# KiCad board Kanagawa_rgb_ansi_stamp.kicad_pcb (continued)
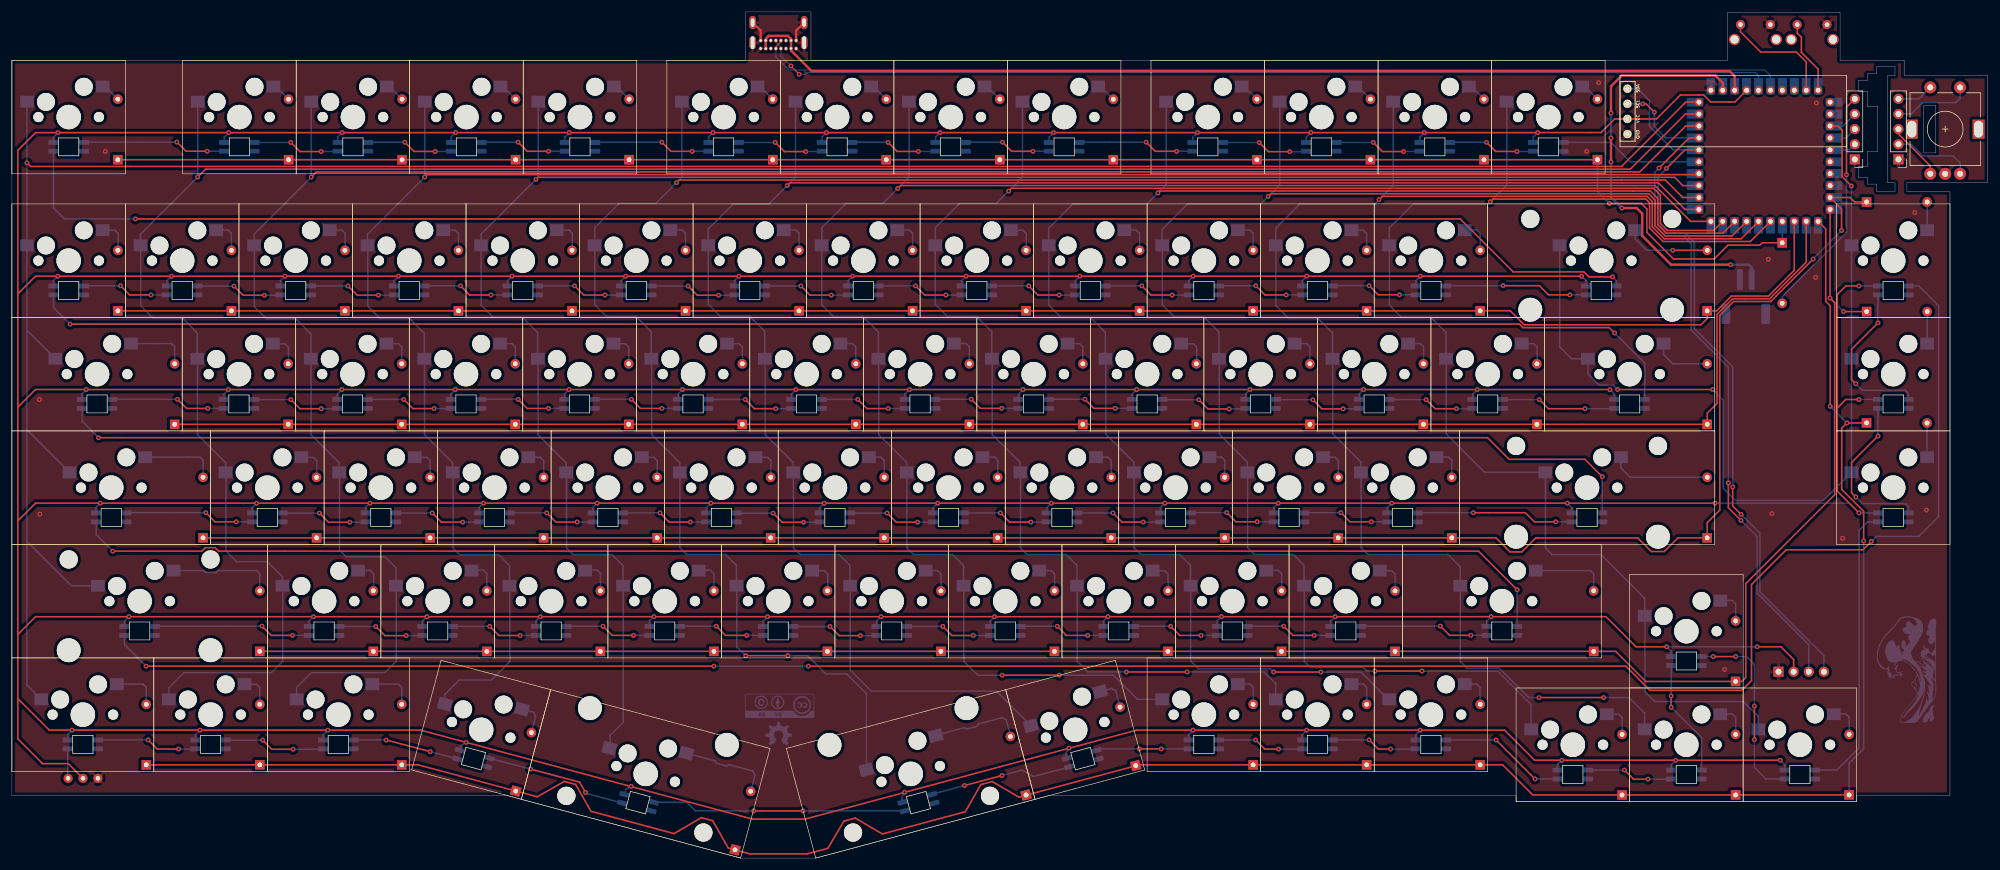
[diagram p0: board, top side]
## Routing (per net, layer and track width the routed paths; a pad name or vN(x,y) marks a point on that pad's centre or on a via; arc(x,y) is an arc through that point) (continued)
col10: length 257.6
  Top w0.254: U0.17 288.66,104.43 277.44,104.43 275.72,106.14 275.72,110.45 274.66,111.51 211.26,111.51 v1(210.8,111.05) ; v1(236.63,31.39) v1(228.73,31.39)
  Bottom w0.254: 216.88,45.69 216.88,33.02 217.91,31.99 226.77,31.99 227.37,31.39 v1(228.73,31.39) ; 216.83,49.13 216.83,46.12 ; KD10.1 207.31,66.46 202.6,71.17 202.6,83.82 ; 207.35,52.09 208.47,50.97 214.99,50.97 216.8,49.16 ; 207.35,52.09 207.35,64.74 ; KF10.1 254.94,25.75 249.3,31.39 v1(236.63,31.39) ; 193,102.78 193,105.49 197.26,109.75 209.5,109.75 v1(210.8,111.05) 212.75,113 212.75,126.93 ; 193.05,102.91 193.05,92.86 195.08,90.83 200,90.83 202.54,88.29 202.54,83.87
col11: length 240.7
  Top w0.254: U0.16 290.18,103.95 277.27,103.95 275.27,105.96 275.27,110.2 274.41,111.06 229.96,111.06 v1(229.41,110.51) ; v1(256.26,26.94) v1(267.11,26.94)
  Bottom w0.254: 221.65,83.82 221.65,71.17 226.36,66.46 KD11.1 ; 212.12,102.77 212.12,92.72 214.15,90.69 219.07,90.69 221.61,88.15 221.61,83.73 ; v1(267.11,26.94) 271.37,26.94 273.99,24.32 273.99,21.62 ; 226.4,52.09 226.4,64.74 ; 243.06,45.64 243.06,32.99 243.06,32.99 244.18,31.88 249.58,31.88 254.56,26.94 v1(256.26,26.94) ; 226.4,52.09 227.52,50.97 240.98,50.97 243.04,48.91 243.04,45.71 ; 231.8,126.93 231.8,112.9 v1(229.41,110.51) 228.71,109.81 216.16,109.81 212.08,105.73 212.08,102.81
col12: length 222.8
  Top w0.254: U0.15 291.72,103.49 277.08,103.49 274.81,105.76 274.81,109.98 274.19,110.6 248.51,110.6 v1(248.07,110.16)
  Bottom w0.254: 274.04,40.63 274.04,27.94 275.71,26.27 290.55,26.27 293.05,23.77 293.05,21.61 ; 257.35,52.06 258.47,50.94 266.67,50.94 273.99,43.62 KE12.1 ; KC12.1 240.65,88.22 238.11,90.76 233.19,90.76 231.16,92.79 231.16,102.84 ; 250.85,126.93 250.85,112.94 v1(248.07,110.16) 247.72,109.81 235.21,109.81 231.13,105.73 231.13,102.81 ; 240.7,83.82 240.7,71.17 247.12,64.75 KD12.1 ; 257.35,52.06 257.35,64.71
col13: length 154.2
  Top w0.254: v1(269.45,78.64) v1(285.41,78.64) ; v1(308.69,112.8) 307.13,114.36 307.13,122.17 306.44,122.87 U0.3
  Bottom w0.254: KF13.1 303.97,60.02 289.23,60.02 287.19,62.06 287.19,76.86 v1(285.41,78.64) ; 264.47,83.8 261.72,83.8 259.73,85.79 259.73,102.78 ; 309.26,124.9 307.23,122.87 U0.3 ; v1(269.45,78.64) 268.7,79.39 266.33,79.39 264.46,81.26 KC13.1 ; v1(308.69,112.8) 308.69,102.85 ; KD13.1 308.7,64.75
D+: length 173.3
  Top w0.2: 129.05,136.99 128.19,136.14
  Bottom w0.2: U0.36 295.1,131.33 294.18,132.25 130.42,132.25 128.19,134.47 JUSB1.A6
D-: length 170.8
  Top w0.2: v1(130.71,132.95) v1(132.11,131.55)
  Bottom w0.2: v1(132.11,131.55) 133.1,131.55 133.4,131.85 292.53,131.85 293.1,131.28 U0.35 ; v1(130.71,132.95) 129.04,134.61 129.04,135.87 ; 128.2,137.21 128.2,136.96 129.06,136.1
ENCA: length 4.8
  Bottom w0.254: J3.3 307.79,120.88 305.09,120.88
ENCB: length 4.5
  Bottom w0.254: J3.2 308.32,118.87 U0.5
RESET: length 19.1
  Top w0.254: U0.39 301.1,133.63 299.45,135.28 293.47,135.28 290.07,138.68 RSW0.1
RGB_Matrix: length 24.1
  Bottom w0.254: 260.35,120.12 268.31,120.12 271.56,116.87 U0.25
RGB_Out: length 4.9
  Bottom w0.254: KF0.4 9.36,13.43
row00: length 296.3
  Top w0.254: v1(268.07,109.88) 273.42,109.88 274.36,108.94 274.36,105.03 278.82,100.57 285.66,100.57 287.97,102.88 293.32,102.88 293.72,103.28 297.07,103.28 ; DA0.1 266.08,117.21
  Bottom w0.254: 297.07,103.28 297.1,103.31 U0.14 ; 266.07,117.22 266.07,111.88 v1(268.07,109.88)
row01: length 295.1
  Top w0.254: DB0.1 246.39,91.85 ; U0.13 299.1,98.66 294.76,94.32 288.53,94.32 286.06,91.85 284.48,91.85 ; 246.38,91.87 251.41,91.87 253.77,89.51 283.44,89.51 284.49,90.56 284.49,91.85
row02: length 301.8
  Top w0.254: DC13.1 284.49,74.67 286.14,76.32 286.14,91.28 288.73,93.87 294.96,93.87 301.1,100.01 301.1,106.88 ; DC12.1 284.49,72.8 ; DC0.1 255.91,72.8
row03: length 333.6
  Top w0.254: DD13.1 309.22,110.12 308.47,110.87 U0.9 307.03,108.94 v1(307.03,105.33) ; v1(302.27,100.54) 295.14,93.41 288.92,93.41 286.59,91.09 286.59,58.4 284.49,56.3 DD12.1 ; 284.49,53.75 279.58,53.75 277.28,51.45 275.12,51.45 272.84,53.73 255.71,53.73 253.37,51.39 251.39,51.39 249.03,53.75 DD0.1
  Bottom w0.254: v1(307.03,105.33) 302.27,100.57 v1(302.27,100.54)
row04: length 343.9
  Top w0.254: U0.10 v1(305.1,93.99) 305.87,93.22 305.87,60.98 290.96,46.07 290.96,30.3 290.31,29.65 DE12.1 274.17,29.65 269.12,34.7 DE0.1 ; v1(307.36,91.73) 311.26,91.73
  Bottom w0.254: v1(307.36,91.73) v1(305.1,93.99)
row05: length 408.6
  Top w0.254: U0.11 304.37,105.6 304.37,93.45 305.13,92.69 v1(305.13,75.82) ; 84.55,11.26 88.17,10.29 ; 89.02,10.78 88.15,10.29 ; DF0.1 65.42,15.65 ; 89.01,10.77 92.69,12.87 94.6,12.35 ; 168.12,10.73 168.98,10.23 ; 84.53,11.26 68.16,15.65 68.15,15.65 DF2.1 ; 120.21,1.7 121.36,1.4 ; 137.46,2.54 139.6,6.2 141.52,6.71 ; 164.5,12.85 162.58,12.34 160.47,8.61 ; 164.5,12.85 168.16,10.71 ; 117.6,6.27 115.68,6.79 111.99,4.61 ; 159.98,7.77 160.48,8.63 ; 96.69,8.7 97.18,7.83 ; 168.98,10.23 170.2,10.56 ; 119.69,2.59 120.19,1.73 ; 136.94,1.65 137.44,2.51 ; v1(310.74,53.23) 310.74,58.19 307.05,61.88 307.05,72.16 v1(307.92,73.03) 307.93,73.04 DF13.1 ; 146.08,4.06 159.98,7.78 ; 170.23,10.57 188.6,15.5 ; DF12.1 DF10.1 255.2,10.6 250.15,15.65 DF9.1 188.69,15.65 188.59,15.55 ; 94.61,12.35 96.71,8.67 ; 97.21,7.84 111.11,4.11 ; 111.11,4.11 111.97,4.61 ; 121.36,1.37 123.8,0.71 133.47,0.71 133.48,0.71 136.95,1.65 ; 141.52,6.71 145.18,4.57 ; 145.21,4.55 146.07,4.05 ; 117.6,6.27 119.7,2.59
  Bottom w0.254: v1(310.74,53.23) 310.74,18.37 308.3,15.93 DF12.1 ; v1(307.92,73.03) v1(305.13,75.82)
SCL: length 121.9
  Top w0.254: v1(290.15,56.68) 288.04,58.79 v1(288.04,62.99) ; v1(275.62,125.2) 274.23,126.59 v1(273.65,126.59) ; U0.27 281.45,120.87 v1(276.4,115.82)
  Bottom w0.254: v1(288.04,62.99) 288.04,82.39 281.78,88.65 281.78,103.13 280.47,104.44 277.42,104.44 275.7,106.16 275.7,115.12 v1(276.4,115.82) ; J6.3 301.53,35.79 292.85,44.47 292.85,53.98 v1(290.15,56.68) ; v1(275.62,125.2) 275.62,122.77 277.52,120.87 U0.27 ; v1(273.65,126.59) 271.09,126.59
SDA: length 123.9
  Top w0.254: v1(290.17,57.69) 288.77,59.09 v1(288.77,62.29) ; U0.26 280.76,118.87 v1(277.64,115.75)
  Bottom w0.254: v1(290.17,57.69) 293.34,54.52 293.34,44.69 304.07,33.96 J6.4 ; U0.26 278.76,118.87 274.8,122.83 274.8,127.17 272.83,129.14 271.1,129.14 ; v1(277.64,115.75) 276.23,114.34 276.23,106.39 277.66,104.96 280.7,104.96 282.33,103.33 282.33,88.88 288.77,82.44 v1(288.77,62.29)
Net-(DA0-Pad2): length 3.4
  Bottom w0.254: 15.22,129.5 15.65,129.5 DA0.2
Net-(DA1-Pad2): length 3.4
  Bottom w0.254: 43.87,129.51 44.29,129.51 DA1.2
Net-(DA2-Pad2): length 3.4
  Bottom w0.254: 62.92,129.5 63.35,129.5 DA2.2
Net-(DA3-Pad2): length 3.4
  Bottom w0.254: 81.97,129.5 82.4,129.5 DA3.2
Net-(DA4-Pad2): length 3.5
  Bottom w0.254: DA4.2 101.44,129.51 101.01,129.51
Net-(DA5-Pad2): length 3.4
  Bottom w0.254: 125.12,129.5 125.55,129.5 DA5.2
Net-(DA6-Pad2): length 3.4
  Bottom w0.254: 144.17,129.49 144.61,129.49 DA6.2
Net-(DA7-Pad2): length 3.4
  Bottom w0.254: 163.22,129.5 163.65,129.5 DA7.2
Net-(DA8-Pad2): length 3.4
  Bottom w0.254: 182.27,129.5 182.7,129.5 DA8.2
Net-(DA9-Pad2): length 3.4
  Bottom w0.254: DA9.2 206.81,129.49 206.38,129.49
Net-(DA10-Pad2): length 3.4
  Bottom w0.254: DA10.2 225.85,129.5 225.43,129.5
Net-(DA11-Pad2): length 3.4
  Bottom w0.254: 244.47,129.5 244.9,129.5 DA11.2
Net-(DA12-Pad2): length 3.4
  Bottom w0.254: 263.53,129.5 263.95,129.5 DA12.2
Net-(DB0-Pad2): length 5.6
  Bottom w0.254: 17.83,102 17.83,104.83 17.27,105.39 15.27,105.39
Net-(DB1-Pad2): length 5.6
  Bottom w0.254: 36.84,102.04 36.84,104.87 36.28,105.43 34.28,105.43
Net-(DB2-Pad2): length 5.6
  Bottom w0.254: 55.9,102.04 55.9,104.87 55.34,105.43 53.34,105.43
Net-(DB3-Pad2): length 5.6
  Bottom w0.254: 74.94,102.02 74.94,104.85 74.38,105.41 72.38,105.41
Net-(DB4-Pad2): length 5.6
  Bottom w0.254: 91.47,105.4 93.47,105.4 94.03,104.84 94.03,102.01
Net-(DB5-Pad2): length 5.6
  Bottom w0.254: 113.04,102.05 113.04,104.88 112.48,105.44 110.48,105.44
Net-(DB6-Pad2): length 5.6
  Bottom w0.254: 132.1,102.05 132.1,104.88 131.54,105.44 129.54,105.44
Net-(DB7-Pad2): length 5.6
  Bottom w0.254: 151.14,102.03 151.14,104.86 150.58,105.42 148.58,105.42
Net-(DB8-Pad2): length 5.6
  Bottom w0.254: 167.66,105.38 169.66,105.38 170.22,104.82 170.22,101.99
Net-(DB9-Pad2): length 5.6
  Bottom w0.254: 189.23,102.03 189.23,104.86 188.67,105.42 186.67,105.42
Net-(DB10-Pad2): length 5.6
  Bottom w0.254: 208.29,102.03 208.29,104.86 207.73,105.42 205.73,105.42
Net-(DB11-Pad2): length 5.6
  Bottom w0.254: 224.77,105.4 226.77,105.4 227.33,104.84 227.33,102.01
Net-(DB12-Pad2): length 5.6
  Bottom w0.254: 243.83,105.42 245.83,105.42 246.39,104.86 246.39,102.03
Net-(DB13-Pad2): length 14.3
  Top w0.254: DB13.2 v1(278.71,102.01)
  Bottom w0.254: v1(278.71,102.01) 274.32,102.01 272.4,103.93 KB13.2
Net-(DC0-Pad2): length 10.4
  Bottom w0.254: 19.99,86.36 26.75,86.36 27.31,85.8 27.31,82.97
Net-(DC1-Pad2): length 5.6
  Bottom w0.254: 43.85,86.31 45.85,86.31 46.41,85.75 46.41,82.92
Net-(DC2-Pad2): length 5.6
  Bottom w0.254: 65.42,82.96 65.42,85.79 64.86,86.35 62.86,86.35
Net-(DC3-Pad2): length 5.6
  Bottom w0.254: 84.48,82.96 84.48,85.79 83.92,86.35 81.92,86.35
Net-(DC4-Pad2): length 5.6
  Bottom w0.254: 103.52,82.94 103.52,85.77 102.96,86.33 100.96,86.33
Net-(DC5-Pad2): length 5.6
  Bottom w0.254: 120.03,86.33 122.03,86.33 122.59,85.77 122.59,82.94
Net-(DC6-Pad2): length 5.6
  Bottom w0.254: 141.6,82.98 141.6,85.81 141.04,86.37 139.04,86.37
Net-(DC7-Pad2): length 5.6
  Bottom w0.254: 160.66,82.98 160.66,85.81 160.1,86.37 158.1,86.37
Net-(DC8-Pad2): length 5.6
  Bottom w0.254: 177.14,86.35 179.14,86.35 179.7,85.79 179.7,82.96
Net-(DC9-Pad2): length 5.6
  Bottom w0.254: 198.82,82.93 198.82,85.76 198.26,86.32 196.26,86.32
Net-(DC10-Pad2): length 5.6
  Bottom w0.254: 215.27,86.36 217.27,86.36 217.83,85.8 217.83,82.97
Net-(DC11-Pad2): length 5.6
  Bottom w0.254: 236.89,82.97 236.89,85.8 236.33,86.36 234.33,86.36
Net-(DC12-Pad2): length 5.6
  Bottom w0.254: 255.93,82.95 255.93,85.78 255.37,86.34 253.37,86.34
Net-(DC13-Pad2): length 9.8
  Bottom w0.254: 284.49,82.96 278.73,82.96 277.16,84.53 KC13.2
Net-(DD0-Pad2): length 12.8
  Bottom w0.254: 22.37,67.31 31.52,67.31 32.08,66.75 32.08,63.92
Net-(DD1-Pad2): length 5.6
  Bottom w0.254: 51.17,63.85 51.17,66.68 50.61,67.24 48.61,67.24
Net-(DD2-Pad2): length 5.6
  Bottom w0.254: 70.18,63.89 70.18,66.72 69.62,67.28 67.62,67.28
Net-(DD3-Pad2): length 5.6
  Bottom w0.254: 86.68,67.28 88.68,67.28 89.24,66.72 89.24,63.89
Net-(DD4-Pad2): length 5.6
  Bottom w0.254: 108.28,63.87 108.28,66.7 107.72,67.26 105.72,67.26
Net-(DD5-Pad2): length 5.6
  Bottom w0.254: 124.81,67.27 126.81,67.27 127.37,66.71 127.37,63.88
Net-(DD6-Pad2): length 5.6
  Bottom w0.254: 146.38,63.92 146.38,66.75 145.82,67.31 143.82,67.31
Net-(DD7-Pad2): length 5.6
  Bottom w0.254: 162.88,67.31 164.88,67.31 165.44,66.75 165.44,63.92
Net-(DD8-Pad2): length 5.6
  Bottom w0.254: 181.92,67.29 183.92,67.29 184.48,66.73 184.48,63.9
Net-(DD9-Pad2): length 5.6
  Bottom w0.254: 200.97,67.32 202.97,67.32 203.53,66.76 203.53,63.93
Net-(DD10-Pad2): length 5.6
  Bottom w0.254: 220.03,67.29 222.03,67.29 222.59,66.73 222.59,63.9
Net-(DD11-Pad2): length 5.6
  Bottom w0.254: 239.07,67.33 241.07,67.33 241.63,66.77 241.63,63.94
Net-(DD12-Pad2): length 16.9
  Bottom w0.254: 270.01,67.3 270.01,65.49 271.59,63.91 DD12.2
Net-(DD13-Pad2): length 5.2
  Bottom w0.254: KD13.2 321.4,110.62
Net-(DE0-Pad2): length 17.8
  Bottom w0.254: 41.6,44.87 41.6,47.7 41.04,48.26 34.6,48.26 34.26,47.92 32.5,47.92 32.16,48.26 27.13,48.26
Net-(DE1-Pad2): length 5.6
  Bottom w0.254: 58.13,48.3 60.13,48.3 60.69,47.74 60.69,44.91
Net-(DE2-Pad2): length 5.6
  Bottom w0.254: 77.14,48.34 79.14,48.34 79.7,47.78 79.7,44.95
Net-(DE3-Pad2): length 5.6
  Bottom w0.254: 98.76,44.95 98.76,47.78 98.2,48.34 96.2,48.34
Net-(DE4-Pad2): length 5.6
  Bottom w0.254: 117.8,44.93 117.8,47.76 117.24,48.32 115.24,48.32
Net-(DE5-Pad2): length 5.6
  Bottom w0.254: 136.9,44.82 136.9,47.65 136.34,48.21 134.34,48.21
Net-(DE6-Pad2): length 5.6
  Bottom w0.254: 153.35,48.25 155.35,48.25 155.91,47.69 155.91,44.86
Net-(DE7-Pad2): length 5.6
  Bottom w0.254: 174.97,44.86 174.97,47.69 174.41,48.25 172.41,48.25
Net-(DE8-Pad2): length 5.6
  Bottom w0.254: 191.45,48.23 193.45,48.23 194.01,47.67 194.01,44.84
Net-(DE9-Pad2): length 5.6
  Bottom w0.254: 210.5,48.31 212.5,48.31 213.06,47.75 213.06,44.92
Net-(DE10-Pad2): length 5.6
  Bottom w0.254: 229.54,48.23 231.54,48.23 232.1,47.67 232.1,44.84
Net-(DE11-Pad2): length 12.8
  Bottom w0.254: 255.73,48.25 264.87,48.25 265.43,47.69 265.43,44.86
Net-(DE12-Pad2): length 5.6
  Bottom w0.254: 286.69,43.24 288.69,43.24 289.25,42.68 289.25,39.85
Net-(DE13-Pad2): length 5.4
  Bottom w0.254: DE13.2 321.4,86.35 321.4,86.35
Net-(DF0-Pad2): length 8
  Bottom w0.254: DF0.2 22.55,28.64 21.99,29.2 17.61,29.2
Net-(DF1-Pad2): length 5.6
  Bottom w0.254: 41.6,25.78 41.6,28.61 41.04,29.17 39.04,29.17
Net-(DF2-Pad2): length 8
  Bottom w0.254: 60.47,29.2 64.86,29.2 65.42,28.64 65.42,25.81
Net-(DF3-Pad2): length 5.6
  Bottom w0.254: 87.16,21.07 87.89,23.8 87.49,24.49 85.56,25
Net-(DF4-Pad2): length 15.5
  Bottom w0.254: 119.92,15.45 118.22,15.91 117.98,16.32 113.12,17.62 ; 120.32,15.69 119.9,15.45 ; 123.98,11.2 124.71,13.93 124.31,14.62 ; 124.3,14.63 120.31,15.69
Net-(DF5-Pad2): length 15.5
  Bottom w0.254: 154.97,20.59 159.83,21.89 160.25,21.65 161.95,22.11 ; 167.59,20.46 166.86,23.19 166.17,23.59 ; 166.16,23.58 162.18,22.52 ; 162.18,22.52 161.94,22.1
Net-(DF6-Pad2): length 5.6
  Bottom w0.254: 185.96,25.36 185.23,28.09 184.54,28.49 182.61,27.97
Net-(DF7-Pad2): length 5.6
  Bottom w0.254: 208.29,25.82 208.29,28.65 207.73,29.21 205.73,29.21
Net-(DF8-Pad2): length 5.6
  Bottom w0.254: 224.78,29.22 226.78,29.22 227.34,28.66 227.34,25.83
Net-(DF9-Pad2): length 5.6
  Bottom w0.254: 246.38,25.82 246.38,28.65 245.82,29.21 243.82,29.21
Net-(DF10-Pad2): length 5.6
  Bottom w0.254: 267.65,24.15 269.65,24.15 270.21,23.59 270.21,20.76
Net-(DF11-Pad2): length 5.6
  Bottom w0.254: 286.7,24.19 288.7,24.19 289.26,23.63 289.26,20.8
Net-(DF12-Pad2): length 5.6
  Bottom w0.254: 308.3,20.82 308.3,23.65 307.74,24.21 305.74,24.21
Net-(DF13-Pad2): length 5.7
  Bottom w0.254: 321.39,67.3 321.38,67.31 DF13.2

## Copper pours and planes (outline as drawn; the poured copper is in the pictures)
GND on Top: 337.19,-5.39 -7.34,-6.37 -6.87,144.9 336.77,145.25
GND on Bottom: 337.14,-5.45 -7.39,-6.43 -6.92,144.84 336.72,145.19

## Text on the board
B.Silkscreen: RGB matrix / Output | VCC | GND | SCL | SDA | JLCJLCJLCJLC | UP ▲ | Kanagawa - rev 2.0 by Ciaanh
